# Altium PCB tinyCamera.PcbDoc (part 1 of 2)
Units mil, origin at the board's own origin, x right, y up, seen from the top; angles counter-clockwise.
Board outline 1732.37 x 1495.98 mil, 4 copper layers (Top Layer, L2_GND, L3_PWR, Bottom Layer), stack 61.811 mil thick; 94 components, 77 nets, 443 pads, 253 vias.
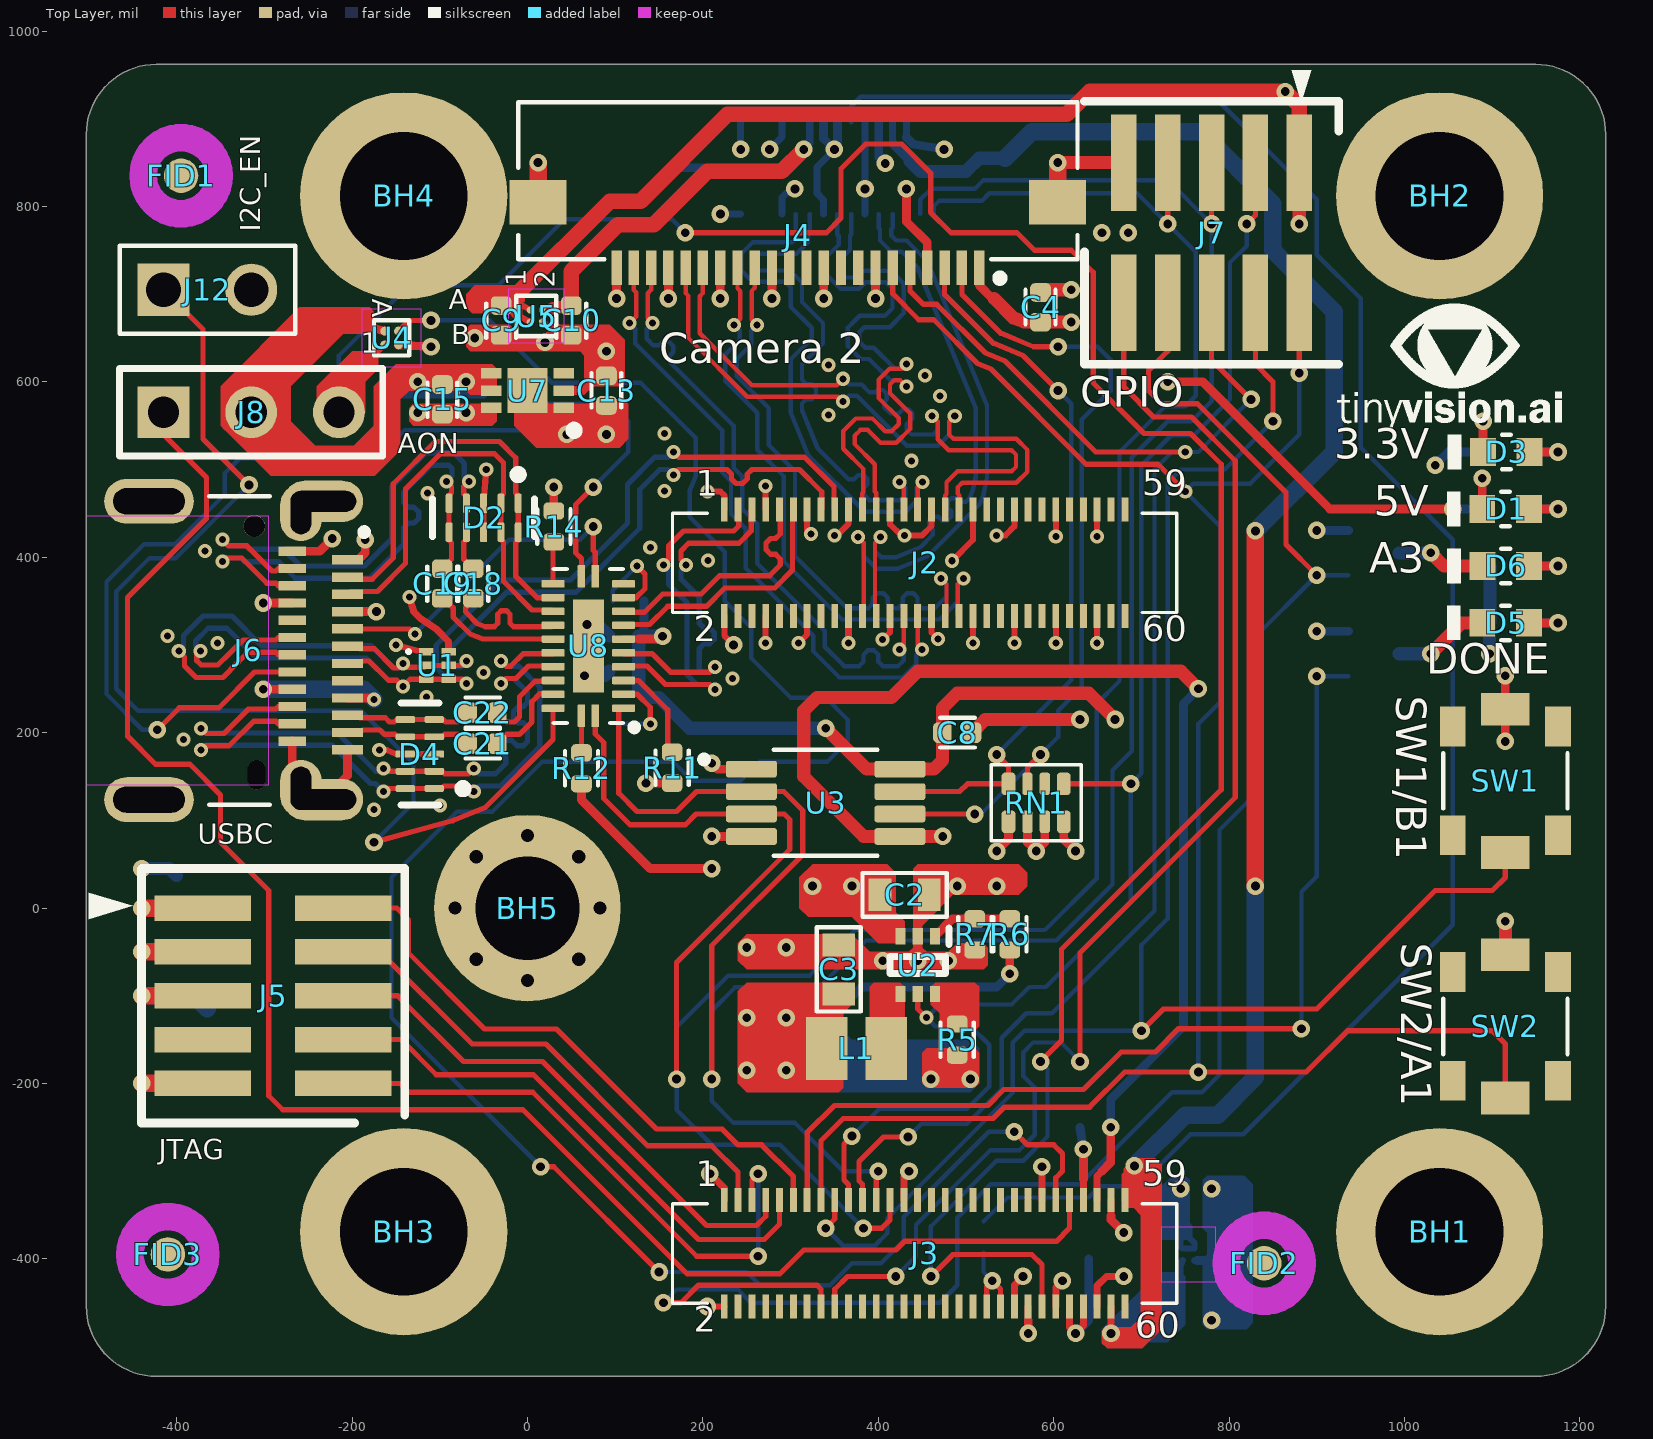
[diagram p0: Top Layer view]
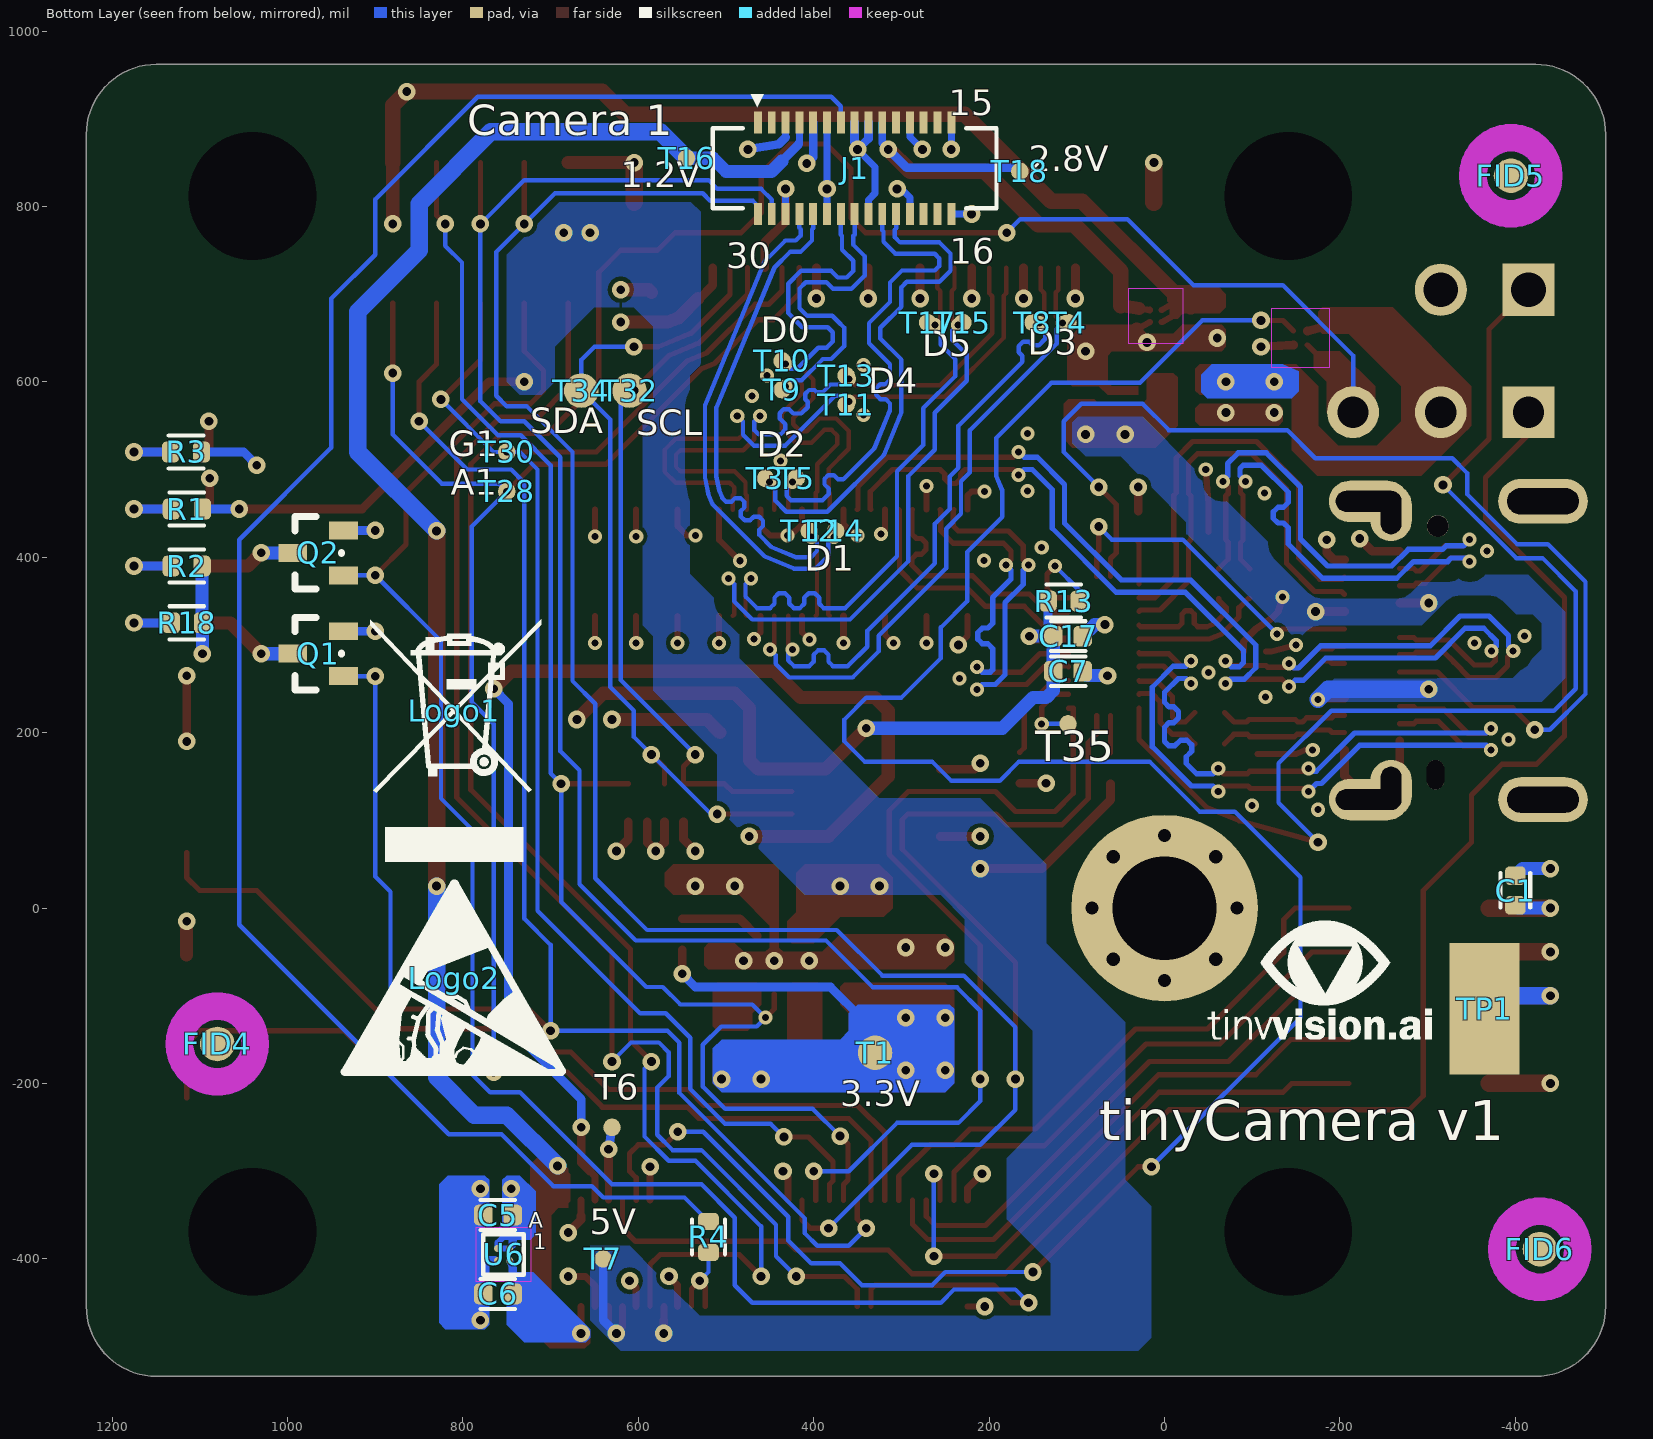
[diagram p1: Bottom Layer view, seen from below]
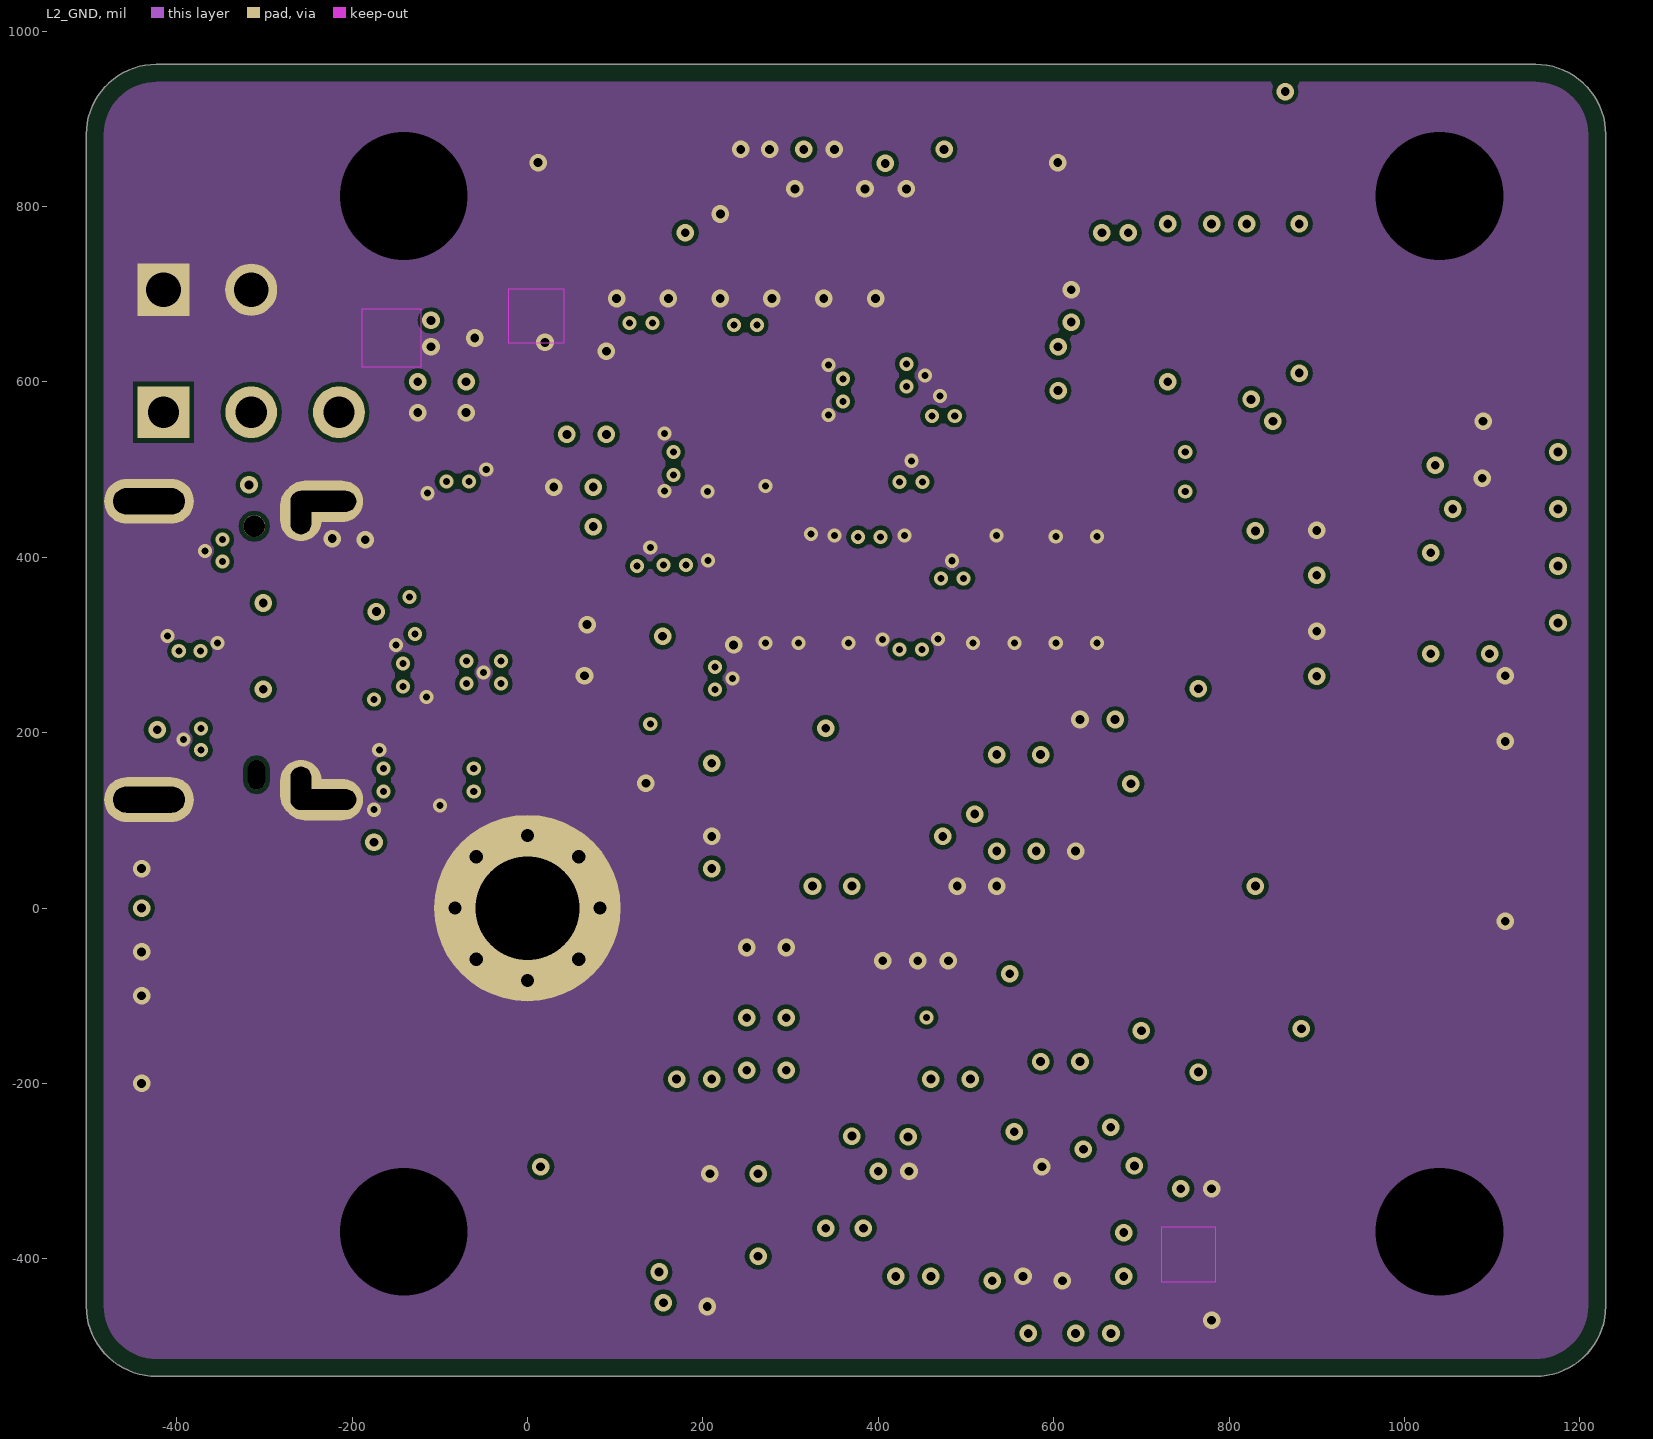
[diagram p2: L2_GND]
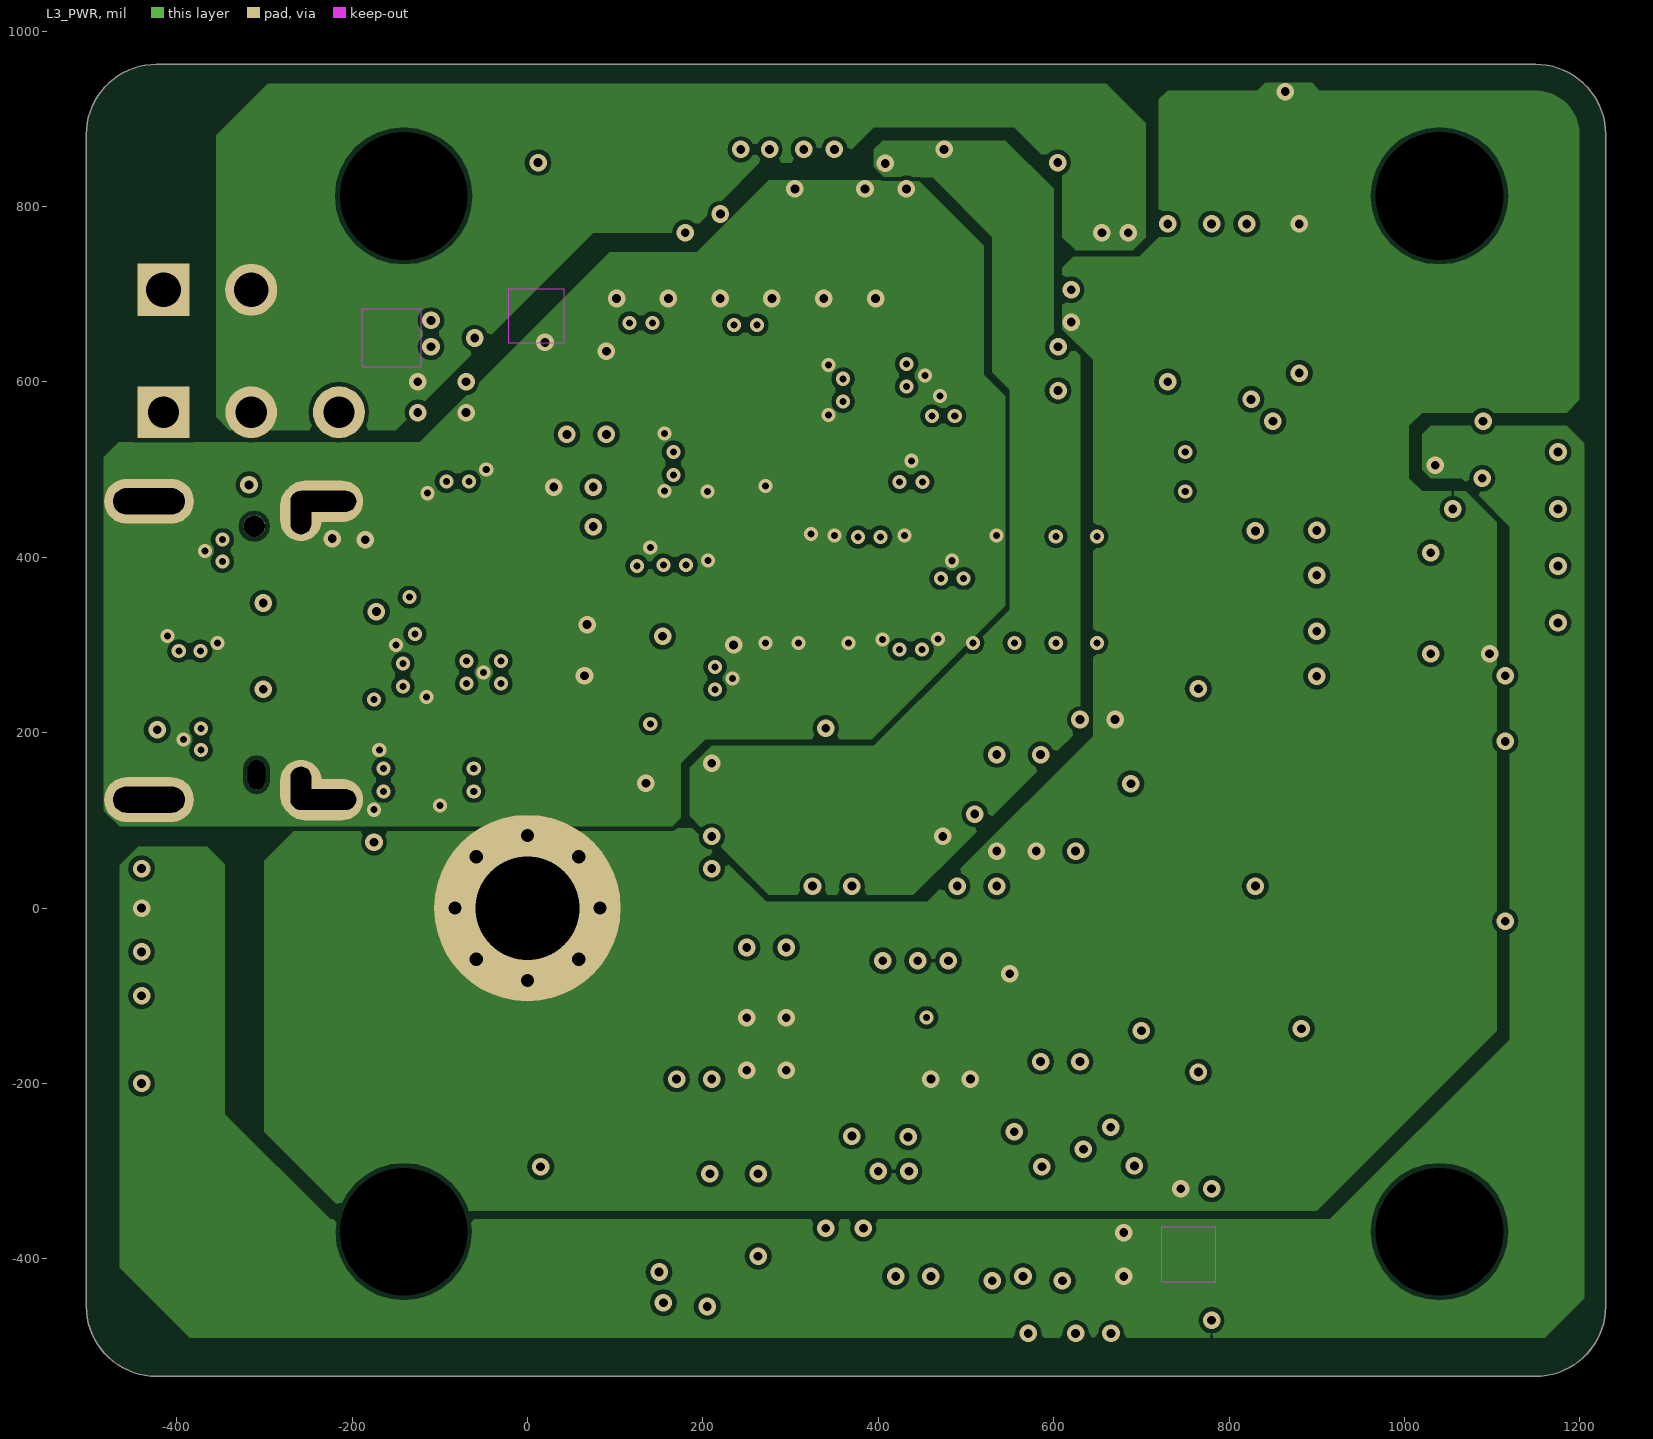
[diagram p3: L3_PWR]
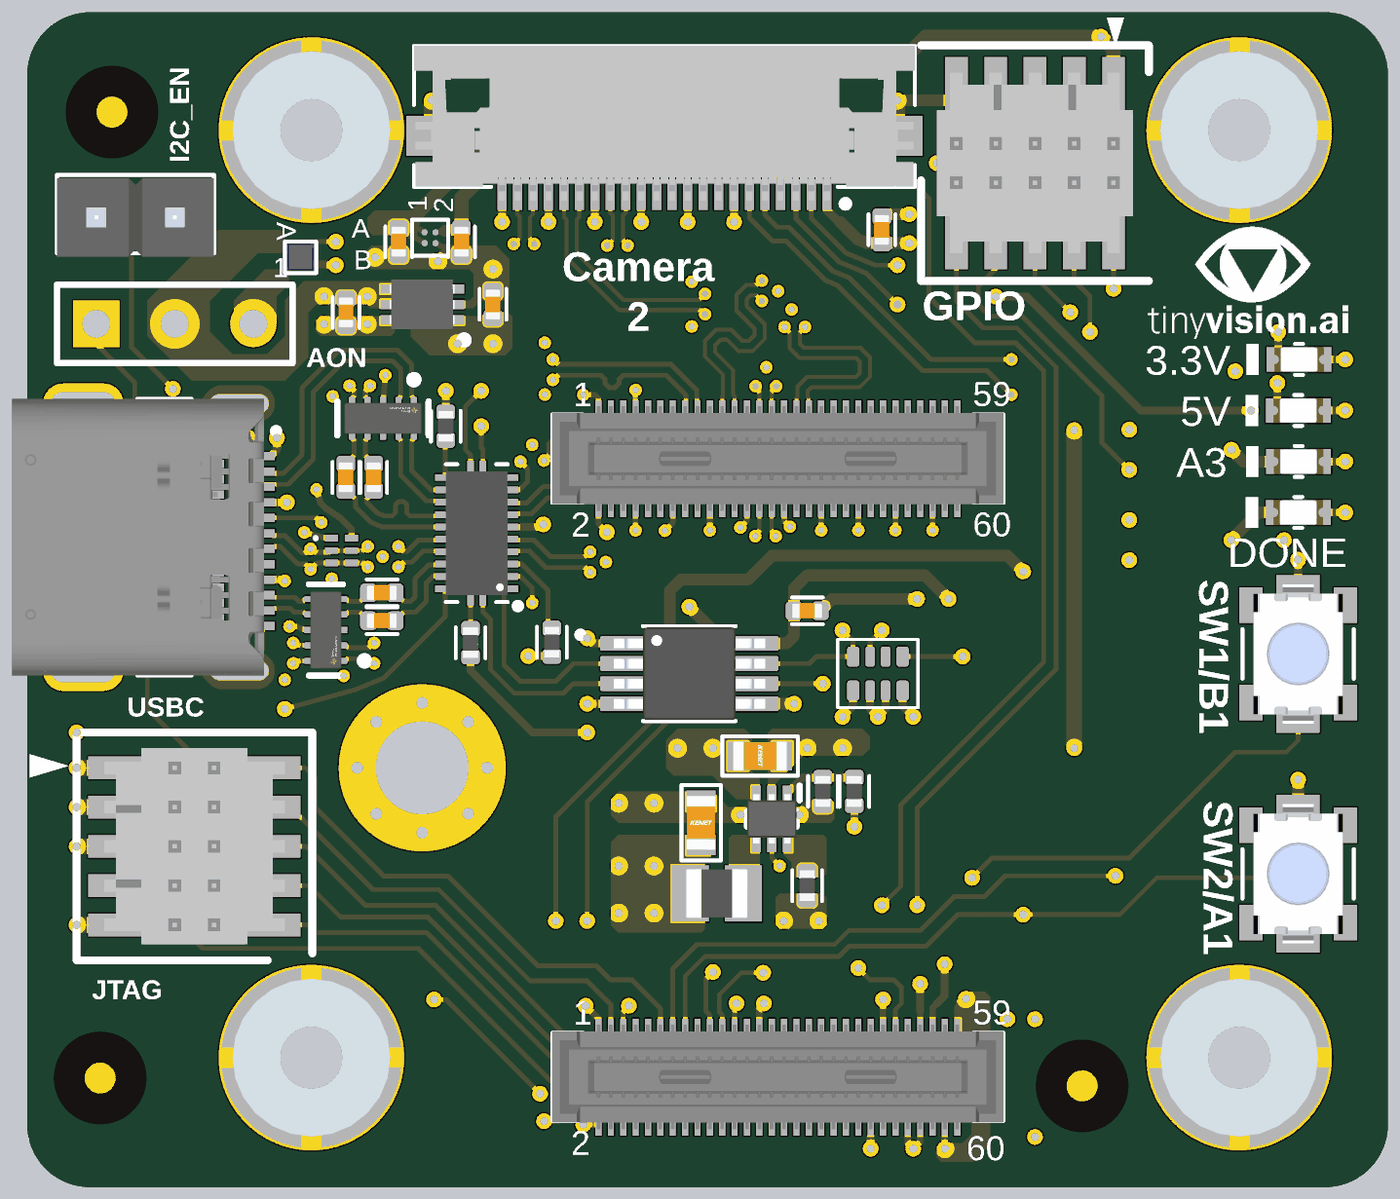
[diagram p5: 3D render of the assembled board from above, using the file's embedded part models]
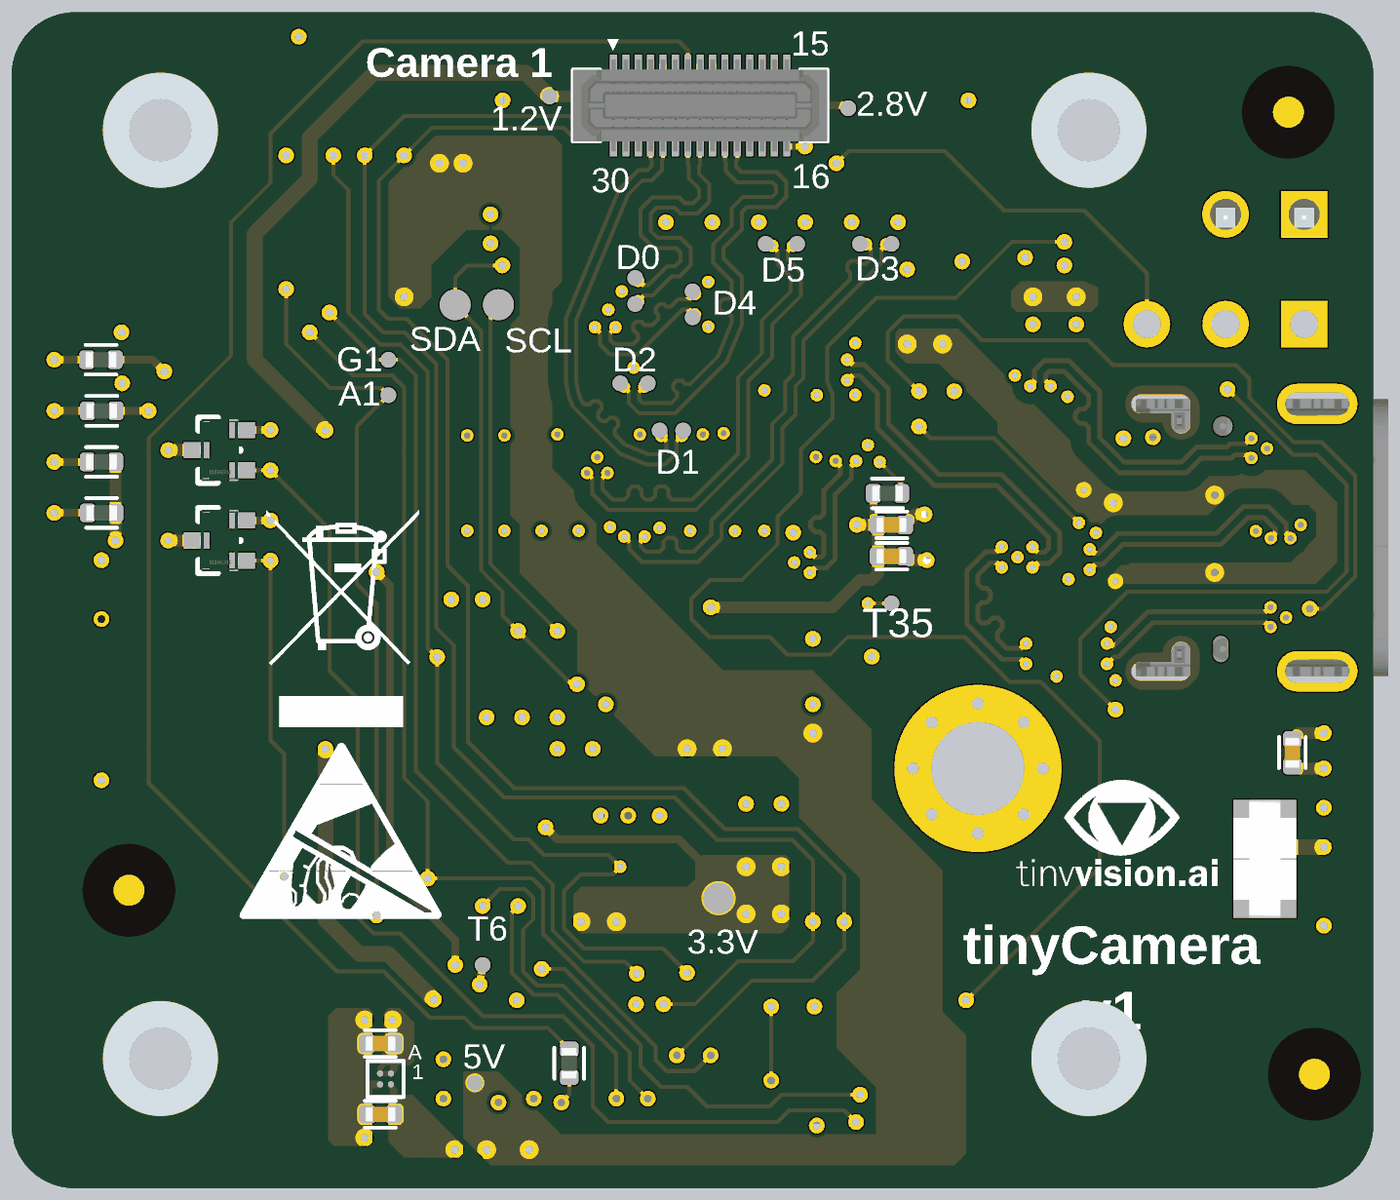
[diagram p6: 3D render of the assembled board from below, using the file's embedded part models]

## Layer stack, top to bottom
Top Solder: solder mask 0.8, Solder Resist, Dk 3.5
Top Layer: signal copper 1.378
Dielectric 2: prepreg 3.937, PP-006, Dk 4.05
L2_GND: signal copper 0.689
Dielectric 1: core 49.8031, Core-009, Dk 4.05
L3_PWR: signal copper 0.689
Dielectric 3: prepreg 3.937, PP-006, Dk 4.05
Bottom Layer: signal copper 1.378
Bottom Solder: solder mask 0.8, Solder Resist, Dk 3.5

## Board outline
-423,-533.96 cw(c-423,-453.96) -503,-453.96 -503,882.02 cw(c-423,882.02) -423,962.02 1149.37,962.02 cw(c1149.37,882.02) 1229.37,882.02 1229.37,-453.96 cw(c1149.37,-453.96) 1149.37,-533.96

## Design rules (kind name [scope] priority, off if disabled: settings)
Clearance Clearance_poly2diff [(IsTrack or IsArc) and InAnyDifferentialPair vs InPoly] p1: gap=20 ignorepadtopadclearanceinfootprint=TRUE
Clearance [All] p2: gap=5 ignorepadtopadclearanceinfootprint=TRUE
ComponentClearance [All] p1: gap=6 collisioncheckmode=3 verticalgap=10 showdistances=FALSE
DiffPairsRouting DiffPairsRouting_90_Ohms [InDifferentialPairClass('DIFF_90OHM')] p1: maxlimit=8 minlimit=8 mostfreqgap=8 toplayer_minwidth=6 toplayer_maxwidth=6 toplayer_prefwidth=6 midlayer1_minwidth=6 midlayer1_maxwidth=6 midlayer1_prefwidth=6 midlayer2_minwidth=6 midlayer2_maxwidth=6 midlayer2_prefwidth=6 bottomlayer_minwidth=6 bottomlayer_maxwidth=6 bottomlayer_prefwidth=6 maxuncoupledlength=500
DiffPairsRouting DiffPairsRouting_100_Ohms [InDifferentialPairClass('DIFF_100OHM')] p2: maxlimit=8 minlimit=8 mostfreqgap=8 toplayer_minwidth=5 toplayer_maxwidth=5 toplayer_prefwidth=5 midlayer1_minwidth=5 midlayer1_maxwidth=5 midlayer1_prefwidth=5 midlayer2_minwidth=5 midlayer2_maxwidth=5 midlayer2_prefwidth=5 bottomlayer_minwidth=5 bottomlayer_maxwidth=5 bottomlayer_prefwidth=5 maxuncoupledlength=500
HoleSize [All] p1: absolutevalues=TRUE maxlimit=149.61 minlimit=1 maxpercent=80.000 minpercent=20.000
HoleToHoleClearance [All] p1: gap=8 allowstackedmicrovias=TRUE
MatchedLengths DIFF_PHASE_TOL [InDifferentialPairClass('All Differential Pairs')] p1: tolerance=5 checknetsindiffpair=TRUE checkdiffpairvsdiffpair=FALSE checkxsignals=FALSE checkothers=FALSE
MinimumSolderMaskSliver [All] p1: minsoldermaskwidth=1.9
PolygonConnect [All] p1: connectstyle=Direct reliefconductorwidth=10 reliefentries=4 polygonreliefangle="90 Angle" airgapwidth=10
RoomDefinition "USBC Connector" [InComponentClass('USBC Connector')] p1 off: confinementstyle=ConfineIn formatcopy=TRUE lockcomponents=FALSE outline 1271,1492 3796,1492 3796,3566 1271,3566
RoomDefinition Base_Module [InComponentClass('Base_Module')] p2 off: confinementstyle=ConfineIn formatcopy=TRUE lockcomponents=FALSE outline 1505,-925 6420,-925 6420,1595 1505,1595
RoomDefinition Miscellaneous [InComponentClass('Miscellaneous')] p3 off: confinementstyle=ConfineIn formatcopy=TRUE lockcomponents=FALSE outline 973,1531 4074,1531 4074,5358 973,5358
RoomDefinition Base_USB_Camera [InComponentClass('Base_USB_Camera')] p4 off: confinementstyle=ConfineIn formatcopy=TRUE lockcomponents=FALSE outline 1110,2214 4197,2214 4197,5454 1110,5454
RoutingVias [All] p1: holewidth=10 width=20 viastyle="Through Hole" minholewidth=6 minwidth=10 maxholewidth=10 maxwidth=20
ShortCircuit [isnet] p1: allowed=FALSE
SilkToSilkClearance [All] p1: silktosilkclearance=1
SilkToSolderMaskClearance [IsPad] p1: minsilkscreentomaskgap=0.1 clearancetoexposedcopper=FALSE
SolderMaskExpansion SolderMaskExpansion_via [isvia] p1: expansion=-6 istentingtop=FALSE soldermaskfromhole=TRUE
SolderMaskExpansion SolderMaskExpansion_all [All] p2: expansion=2 istentingtop=FALSE
Width [All] p1: maxlimit=40 minlimit=5 preferedwidth=6 minimp=50.000000 maximp=50.000000 favimp=50.000000
22 further rules are at their usual default settings.

## Classes and differential pairs
differential pair class DIFF_100OHM: DIFF_0 DIFF_1 DIFF_2 DIFF_3 DIFF_4 DIFF_5
component class "USBC Connector": C7 C13 C15 C17 C18 C19 C21 C22 D2 D4 J6 J12 R11 R12 R13 R14 T35 U1 U7 U8
net class PWR: GND P3V3D
differential pair class DIFF_90OHM: DEBUG_USB RX1 RX2 SS_RX SS_RX1 SS_RX2 SS_TX SS_TX1 SS_TX2 USB2
component class Base_Module: 1 BH1 BH2 BH3 BH4 BH5 BH? C1 C2 C3 C4 C5 C6 C8 C9 C10 D1 D3 D5 D6 FID1 FID2 FID3 FID4 FID5 FID6 FID? J1 J2 J3 J4 J5 J7 J8 L1 Logo1 Logo2 P2 P3 P4 Q1 Q2 R1 R2 R3 R4 R5 R6 R7 R18 RN1 SW1 SW2 T1 T3 T4 T5 T6 T7 T8 T9 T10 T11 T12 T13 T14 T15 T16 T17 T18 T28 T30 T32 T34 TP1 U2 U3 U4 U5 U6
differential pair DIFF13: +"" -""
differential pair DIFF12: +"" -""
differential pair DIFF11: +"" -""
differential pair DIFF10: +"" -""
differential pair DIFF9: +"" -""
differential pair DIFF8: +"" -""
differential pair DIFF7: +"" -""
differential pair DIFF6: +"" -""
differential pair DIFF5: +DIFF5_P -DIFF5_N
differential pair DIFF4: +DIFF4_P -DIFF4_N
differential pair DIFF3: +DIFF3_P -DIFF3_N
differential pair DIFF2: +DIFF2_P -DIFF2_N
differential pair DIFF1: +DIFF1_P -DIFF1_N
differential pair DIFF0: +DIFF0_P -DIFF0_N
differential pair RX2: +RX2_P -RX2_N
differential pair RX1: +RX1_P -RX1_N
differential pair DEBUG_USB: +"" -""
differential pair USB2: +USB2_P -USB2_N
differential pair SS_TX: +SS_TX_P -SS_TX_N
differential pair SS_TX2: +SS_TX2_P -SS_TX2_N
differential pair SS_TX1: +SS_TX1_P -SS_TX1_N
differential pair SS_RX: +SS_RX_P -SS_RX_N
differential pair SS_RX2: +SS_RX2_P -SS_RX2_N
differential pair SS_RX1: +SS_RX1_P -SS_RX1_N
differential pair REFCLK: +"" -""
differential pair PB46_PCLK: +"" -""
differential pair PB44: +"" -""
differential pair PB42_PCLK: +"" -""
differential pair PB40: +"" -""
differential pair PB38_PCLK: +"" -""
differential pair PB36: +"" -""
differential pair PB34_PCLK: +"" -""
differential pair PB32: +"" -""
differential pair DIFF_5: +"" -""
differential pair DIFF_4: +"" -""
differential pair DIFF_3: +"" -""
differential pair DIFF_2: +"" -""
differential pair DIFF_1: +"" -""
differential pair DIFF_0: +"" -""
differential pair CLK: +"" -""
